# KiCad board Skayboard.kicad_pcb (continued)
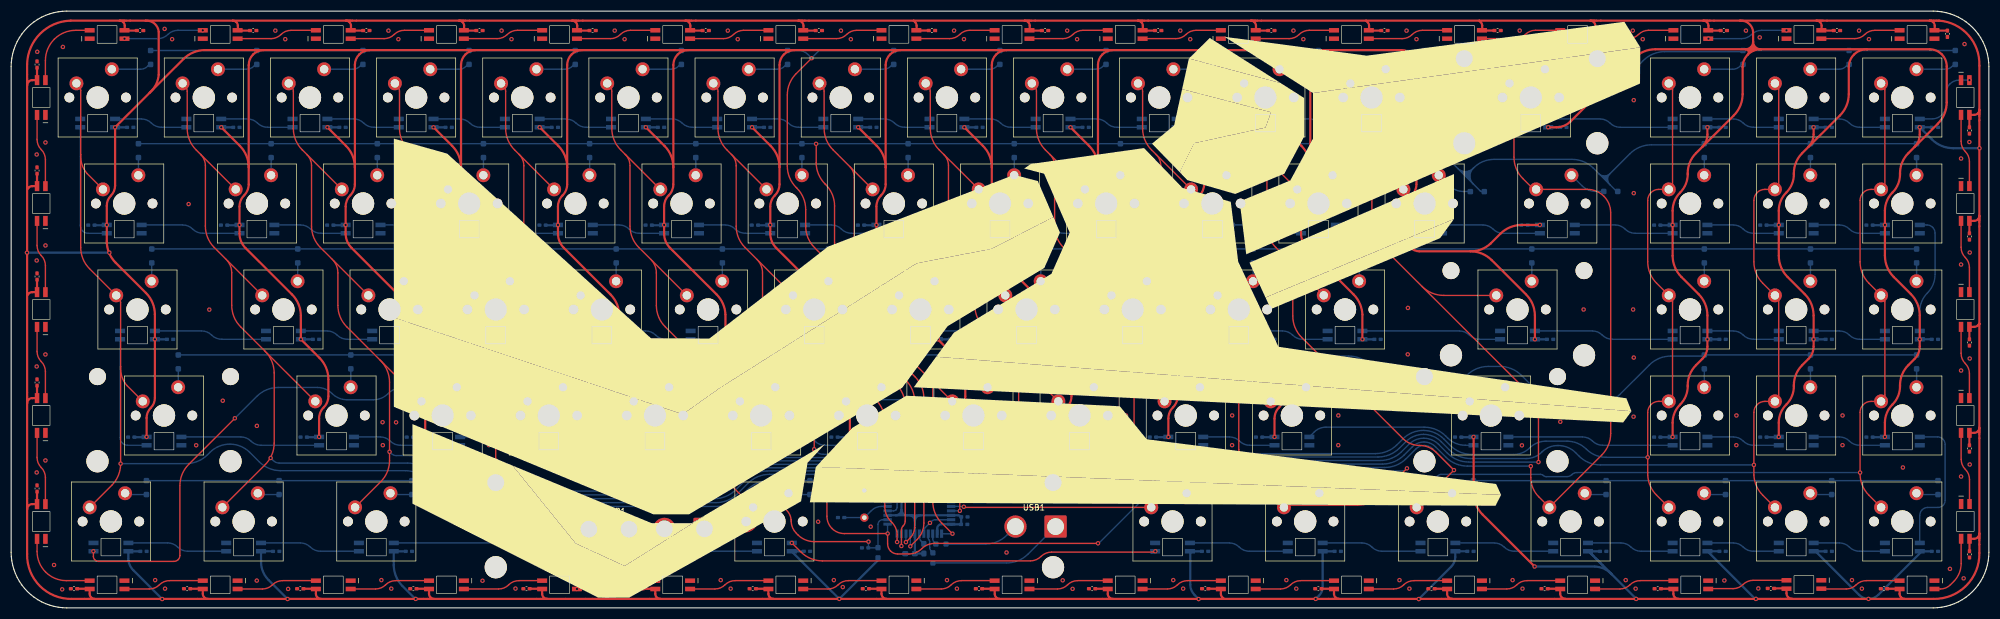
[diagram p0: board, top side]
## Nets
GND: C1.1 C2.1 C4.1 C5.1 C6.2 C7.1 C8.1 C9.1 C10.1 C11.1 C12.1 C13.1 C14.1 C15.1 C16.1 C17.1 C18.1 C19.1 C20.1 C21.1 C22.1 C23.1 C24.1 C25.1 C26.1 C27.1 C28.1 C29.1 C30.1 C31.1 C32.1 C33.1 C34.1 C35.1 C36.1 C37.1 C38.1 C39.1 C40.1 C41.1 C42.1 C43.1 C44.1 C45.1 C46.1 C47.1 C48.1 C49.1 C50.1 C51.1 C52.1 C53.1 C54.1 C55.1 C56.1 C57.1 C58.1 C59.1 C60.1 C61.1 C62.1 C63.1 C64.1 C65.1 C66.1 C67.1 C68.1 C69.1 C70.1 C71.1 C72.1 C73.1 C74.1 C75.1 C76.1 C77.1 C78.1 C79.1 C80.1 C81.1 C82.1 C83.1 C84.1 C85.1 C86.1 C87.1 C88.1 C89.1 C90.1 C91.1 C92.1 C93.1 C94.1 C95.1 C96.1 C97.1 C98.1 C99.1 C100.1 C101.1 C102.1 C103.1 C104.1 C105.1 C106.1 C107.1 C108.1 C109.1 C110.1 C111.1 C112.1 C113.1 C114.1 C115.1 C116.1 C117.1 C118.1 C119.1 C120.1 C121.1 C122.1 C123.1 C124.1 C125.1 C126.1 C127.2 C128.2 LED1.3 LED2.3 LED3.3 LED4.3 LED5.3 LED6.3 LED7.3 LED8.3 LED9.3 LED10.3 LED11.3 LED12.3 LED13.3 LED14.3 LED15.3 LED16.3 LED17.3 LED18.3 LED19.3 LED20.3 LED21.3 LED22.3 LED23.3 LED24.3 LED25.3 LED26.3 LED27.3 LED28.3 LED29.3 LED30.3 LED31.3 LED32.3 LED33.3 LED34.3 LED35.3 LED36.3 LED37.3 LED38.3 LED39.3 LED40.3 LED41.3 LED42.3 LED43.3 LED44.3 LED45.3 LED46.3 LED47.3 LED48.3 LED49.3 LED50.3 LED51.3 LED52.3 LED53.3 LED54.3 LED55.3 LED56.3 LED57.3 LED58.3 LED59.3 LED60.3 LED61.3 LED62.3 LED63.3 LED64.3 LED65.3 LED66.3 LED67.3 LED68.3 LED69.3 LED70.3 LED71.3 LED72.3 LED73.3 LED74.3 LED75.3 LED76.3 LED77.3 LED78.3 LED79.3 LED80.3 LED81.3 LED82.3 LED83.3 LED84.3 LED85.3 LED86.3 LED87.3 LED88.3 LED89.3 LED90.3 LED91.3 LED92.3 LED93.3 LED94.3 LED95.3 LED96.3 LED97.3 LED98.3 LED99.3 LED100.3 LED101.3 LED102.3 LED103.3 LED104.3 LED105.3 LED106.3 LED107.3 LED108.3 LED109.3 LED110.3 LED111.3 LED112.3 LED113.3 LED114.3 LED115.3 LED116.3 LED117.3 LED118.3 LED119.3 LED120.3 POWER1.2 RST1.2 U1.5 U1.15 U1.23 U1.35 U1.43
VCC: C3.1 C5.2 C6.1 C7.2 C8.2 C9.2 C10.2 C11.2 C12.2 C13.2 C14.2 C15.2 C16.2 C17.2 C18.2 C19.2 C20.2 C21.2 C22.2 C23.2 C24.2 C25.2 C26.2 C27.2 C28.2 C29.2 C30.2 C31.2 C32.2 C33.2 C34.2 C35.2 C36.2 C37.2 C38.2 C39.2 C40.2 C41.2 C42.2 C43.2 C44.2 C45.2 C46.2 C47.2 C48.2 C49.2 C50.2 C51.2 C52.2 C53.2 C54.2 C55.2 C56.2 C57.2 C58.2 C59.2 C60.2 C61.2 C62.2 C63.2 C64.2 C65.2 C66.2 C67.2 C68.2 C69.2 C70.2 C71.2 C72.2 C73.2 C74.2 C75.2 C76.2 C77.2 C78.2 C79.2 C80.2 C81.2 C82.2 C83.2 C84.2 C85.2 C86.2 C87.2 C88.2 C89.2 C90.2 C91.2 C92.2 C93.2 C94.2 C95.2 C96.2 C97.2 C98.2 C99.2 C100.2 C101.2 C102.2 C103.2 C104.2 C105.2 C106.2 C107.2 C108.2 C109.2 C110.2 C111.2 C112.2 C113.2 C114.2 C115.2 C116.2 C117.2 C118.2 C119.2 C120.2 C121.2 C122.2 C123.2 C124.2 C125.2 C126.2 C127.1 C128.1 LED1.1 LED2.1 LED3.1 LED4.1 LED5.1 LED6.1 LED7.1 LED8.1 LED9.1 LED10.1 LED11.1 LED12.1 LED13.1 LED14.1 LED15.1 LED16.1 LED17.1 LED18.1 LED19.1 LED20.1 LED21.1 LED22.1 LED23.1 LED24.1 LED25.1 LED26.1 LED27.1 LED28.1 LED29.1 LED30.1 LED31.1 LED32.1 LED33.1 LED34.1 LED35.1 LED36.1 LED37.1 LED38.1 LED39.1 LED40.1 LED41.1 LED42.1 LED43.1 LED44.1 LED45.1 LED46.1 LED47.1 LED48.1 LED49.1 LED50.1 LED51.1 LED52.1 LED53.1 LED54.1 LED55.1 LED56.1 LED57.1 LED58.1 LED59.1 LED60.1 LED61.1 LED62.1 LED63.1 LED64.1 LED65.1 LED66.1 LED67.1 LED68.1 LED69.1 LED70.1 LED71.1 LED72.1 LED73.1 LED74.1 LED75.1 LED76.1 LED77.1 LED78.1 LED79.1 LED80.1 LED81.1 LED82.1 LED83.1 LED84.1 LED85.1 LED86.1 LED87.1 LED88.1 LED89.1 LED90.1 LED91.1 LED92.1 LED93.1 LED94.1 LED95.1 LED96.1 LED97.1 LED98.1 LED99.1 LED100.1 LED101.1 LED102.1 LED103.1 LED104.1 LED105.1 LED106.1 LED107.1 LED108.1 LED109.1 LED110.1 LED111.1 LED112.1 LED113.1 LED114.1 LED115.1 LED116.1 LED117.1 LED118.1 LED119.1 LED120.1 POWER1.1 R1.2 U1.2 U1.7 U1.14 U1.24 U1.34 U1.42 U1.44
/0/DIN: LED10.2 LED11.4
/1/DIN: LED1.2 LED2.4
/1/DOUT: LED2.2 LED3.4
/2/DOUT: LED3.2 LED4.4
/3/DOUT: LED4.2 LED5.4
/4/DOUT: LED5.2 LED6.4
/5/DOUT: LED6.2 LED7.4
/6/DOUT: LED7.2 LED8.4
/7/DOUT: LED8.2 LED9.4
/8/DOUT: LED9.2 LED10.4
/"/DIN: LED45.2 LED46.4
/"/DOUT: LED46.2 LED47.4
/,/DIN: LED59.4 LED60.2
/,/DOUT: LED58.4 LED59.2
/-/DIN: LED11.2 LED12.4
/-/DOUT: LED12.2 LED13.4
/./DIN: LED60.4 LED61.2
/;/DIN: LED44.2 LED45.4
/=/DOUT: LED13.2 LED14.4
/[/DIN: LED29.4 LED30.2
/A/DIN: LED36.4 LED66.2
/A/DOUT: LED36.2 LED37.4
/B Slash/DIN: LED31.4 LED32.2
/B Slash/DOUT: LED30.4 LED31.2
/B/DIN: LED56.4 LED57.2
/B/DOUT: LED55.4 LED56.2
/Bksp/DOUT: LED14.2 LED15.4
/C/DIN: LED54.4 LED55.2
/C/DOUT: LED53.4 LED54.2
/Caps/DIN: LED35.2 LED66.4
/COL^{0}: MX1.1 MX18.1 MX35.1 MX51.1 MX66.1 U1.18
/COL^{1}: MX2.1 MX19.1 MX36.1 MX52.1 MX67.1 U1.19
/COL^{2}: MX3.1 MX20.1 MX37.1 MX53.1 MX68.1 U1.20
/COL^{3}: MX4.1 MX21.1 MX38.1 MX54.1 U1.21
/COL^{4}: MX5.1 MX22.1 MX39.1 MX55.1 U1.22
/COL^{5}: MX6.1 MX23.1 MX40.1 MX56.1 MX69.1 U1.25
/COL^{6}: MX7.1 MX24.1 MX41.1 MX57.1 U1.26
/COL^{7}: MX8.1 MX25.1 MX42.1 MX58.1 U1.1
/COL^{8}: MX9.1 MX26.1 MX43.1 MX59.1 U1.41
/COL^{9}: MX10.1 MX27.1 MX44.1 MX60.1 MX70.1 U1.40
/COL^{10}: MX11.1 MX28.1 MX45.1 MX61.1 MX71.1 U1.38
/COL^{11}: MX12.1 MX29.1 MX46.1 MX62.1 MX72.1 U1.37
/COL^{12}: MX13.1 MX30.1 MX47.1 U1.32
/COL^{13}: MX14.1 MX31.1 MX73.1 U1.36
/COL^{14}: MX15.1 MX32.1 MX48.1 MX63.1 MX74.1 U1.30
/COL^{15}: MX16.1 MX33.1 MX49.1 MX64.1 MX75.1 U1.31
/COL^{16}: MX17.1 MX34.1 MX50.1 MX65.1 MX76.1 U1.39
/D/DIN: LED37.2 LED38.4
/D/DOUT: LED38.2 LED39.4
/Del/DIN: LED32.4 LED33.2
/Down/DIN: LED74.2 LED75.4
/Down/DOUT: LED75.2 LED76.4
/E/DIN: LED21.4 LED22.2
/E/DOUT: LED20.4 LED21.2
/End/DIN: LED33.4 LED34.2
/Enter/DOUT: LED47.2 LED48.4
/Esc/DIN: LED1.4 LED18.2
/F Slash/DIN: LED61.4 LED62.2
/F/DOUT: LED39.2 LED40.4
/G/DOUT: LED40.2 LED41.4
/H/DOUT: LED41.2 LED42.4
/Home/DIN: LED15.2 LED16.4
/Home/DOUT: LED16.2 LED17.4
/I/DIN: LED26.4 LED27.2
/I/DOUT: LED25.4 LED26.2
/J/DOUT: LED42.2 LED43.4
/K/DOUT: LED43.2 LED44.4
/L Alt/DIN: LED67.2 LED68.4
/L Alt/DOUT: LED68.2 LED69.4
/L Ctrl/DOUT: LED51.2 LED67.4
/L Shift/DIN: LED35.4 LED52.2
/LED: LED51.4 U1.29
/Left/DIN: LED73.2 LED74.4
/M/DOUT: LED57.4 LED58.2
/Meta/DIN: LED71.2 LED72.4
/Meta/DOUT: LED72.2 LED73.4
/O/DIN: LED27.4 LED28.2
/P/DIN: LED28.4 LED29.2
/PgDn/DIN: LED34.4 LED50.2
/Q/DIN: LED19.4 LED20.2
/Q/DOUT: LED18.4 LED19.2
/R Alt/DIN: LED69.2 LED70.4
/R Alt/DOUT: LED70.2 LED71.4
/R Shift/DIN: LED62.4 LED63.2
/R/DIN: LED22.4 LED23.2
/Right/DOUT: LED65.4 LED76.2
/ROW^{0}: D1.1 D2.1 D3.1 D4.1 D5.1 D6.1 D7.1 D8.1 D9.1 D10.1 D11.1 D12.1 D13.1 D14.1 D15.1 D16.1 D17.1 U1.10
/ROW^{1}: D18.1 D19.1 D20.1 D21.1 D22.1 D23.1 D24.1 D25.1 D26.1 D27.1 D28.1 D29.1 D30.1 D31.1 D32.1 D33.1 D34.1 U1.9
/ROW^{2}: D36.1 D37.1 D38.1 D39.1 D40.1 D41.1 D42.1 D43.1 D44.1 D45.1 D46.1 D47.1 D48.1 D49.1 D50.1 D66.1 U1.8
/ROW^{3}: D35.1 D52.1 D53.1 D54.1 D55.1 D56.1 D57.1 D58.1 D59.1 D60.1 D61.1 D62.1 D63.1 D64.1 D65.1 U1.11
/ROW^{4}: D51.1 D67.1 D68.1 D69.1 D70.1 D71.1 D72.1 D73.1 D74.1 D75.1 D76.1 U1.12
/SK1/DOUT: LED48.2 LED49.4
/SK2/DOUT: LED49.2 LED50.4
/SK4/DIN: LED63.4 LED64.2
/SK5/DOUT: LED64.4 LED65.2
/T/DIN: LED23.4 LED24.2
/U/DOUT: LED24.4 LED25.2
/ULED: LED17.2 LED77.4
/ULED1/DOUT: LED77.2 LED78.4
/ULED2/DOUT: LED78.2 LED79.4
/ULED3/DOUT: LED79.2 LED80.4
/ULED4/DOUT: LED80.2 LED81.4
/ULED5/DOUT: LED81.2 LED82.4
/ULED6/DOUT: LED82.2 LED83.4
/ULED7/DOUT: LED83.2 LED84.4
/ULED8/DOUT: LED84.2 LED85.4
/ULED10/DIN: LED85.2 LED86.4
/ULED10/DOUT: LED86.2 LED87.4
/ULED11/DOUT: LED87.2 LED88.4
/ULED12/DOUT: LED88.2 LED89.4
/ULED13/DOUT: LED89.2 LED90.4
/ULED14/DOUT: LED90.2 LED91.4
/ULED15/DOUT: LED91.2 LED92.4
/ULED16/DOUT: LED92.2 LED93.4
/ULED17/DOUT: LED93.2 LED94.4
/ULED18/DOUT: LED94.2 LED95.4
/ULED19/DOUT: LED95.2 LED96.4
/ULED20/DOUT: LED96.2 LED97.4
/ULED21/DOUT: LED97.2 LED98.4
/ULED22/DOUT: LED98.2 LED99.4
/ULED23/DOUT: LED99.2 LED100.4
/ULED24/DOUT: LED100.2 LED101.4
/ULED25/DOUT: LED101.2 LED102.4
/ULED26/DOUT: LED102.2 LED103.4
/ULED27/DOUT: LED103.2 LED104.4
/ULED28/DOUT: LED104.2 LED105.4
/ULED29/DOUT: LED105.2 LED106.4
/ULED30/DOUT: LED106.2 LED107.4
/ULED31/DOUT: LED107.2 LED108.4
/ULED32/DOUT: LED108.2 LED109.4
/ULED33/DOUT: LED109.2 LED110.4
/ULED34/DOUT: LED110.2 LED111.4
/ULED35/DOUT: LED111.2 LED112.4
/ULED36/DOUT: LED112.2 LED113.4
/ULED37/DOUT: LED113.2 LED114.4
/ULED38/DOUT: LED114.2 LED115.4
/ULED39/DOUT: LED115.2 LED116.4
/ULED40/DOUT: LED116.2 LED117.4
/ULED41/DOUT: LED117.2 LED118.4
/ULED42/DOUT: LED118.2 LED119.4
/ULED43/DOUT: LED119.2 LED120.4
/ULED44/DOUT: LED120.2
/X/DOUT: LED52.4 LED53.2
Net-(D1-A): D1.2 MX1.2
Net-(D2-A): D2.2 MX2.2
Net-(D3-A): D3.2 MX3.2
Net-(D4-A): D4.2 MX4.2
Net-(D5-A): D5.2 MX5.2
Net-(D6-A): D6.2 MX6.2
Net-(D7-A): D7.2 MX7.2
Net-(D8-A): D8.2 MX8.2
Net-(D9-A): D9.2 MX9.2
Net-(D10-A): D10.2 MX10.2
Net-(D11-A): D11.2 MX11.2
Net-(D12-A): D12.2 MX12.2
Net-(D13-A): D13.2 MX13.2
Net-(D14-A): D14.2 MX14.2
Net-(D15-A): D15.2 MX15.2
Net-(D16-A): D16.2 MX16.2
Net-(D17-A): D17.2 MX17.2
Net-(D18-A): D18.2 MX18.2
Net-(D19-A): D19.2 MX19.2
Net-(D20-A): D20.2 MX20.2
Net-(D21-A): D21.2 MX21.2
Net-(D22-A): D22.2 MX22.2
Net-(D23-A): D23.2 MX23.2
Net-(D24-A): D24.2 MX24.2
Net-(D25-A): D25.2 MX25.2
Net-(D26-A): D26.2 MX26.2
Net-(D27-A): D27.2 MX27.2
Net-(D28-A): D28.2 MX28.2
Net-(D29-A): D29.2 MX29.2
Net-(D30-A): D30.2 MX30.2
Net-(D31-A): D31.2 MX31.2
Net-(D32-A): D32.2 MX32.2
Net-(D33-A): D33.2 MX33.2
Net-(D34-A): D34.2 MX34.2
Net-(D35-A): D35.2 MX35.2
Net-(D36-A): D36.2 MX36.2
Net-(D37-A): D37.2 MX37.2
Net-(D38-A): D38.2 MX38.2
Net-(D39-A): D39.2 MX39.2
Net-(D40-A): D40.2 MX40.2
Net-(D41-A): D41.2 MX41.2
Net-(D42-A): D42.2 MX42.2
Net-(D43-A): D43.2 MX43.2
Net-(D44-A): D44.2 MX44.2
Net-(D45-A): D45.2 MX45.2
Net-(D46-A): D46.2 MX46.2
Net-(D47-A): D47.2 MX47.2
Net-(D48-A): D48.2 MX48.2
Net-(D49-A): D49.2 MX49.2
Net-(D50-A): D50.2 MX50.2
Net-(D51-A): D51.2 MX51.2
Net-(D52-A): D52.2 MX52.2
Net-(D53-A): D53.2 MX53.2
Net-(D54-A): D54.2 MX54.2
Net-(D55-A): D55.2 MX55.2
Net-(D56-A): D56.2 MX56.2
Net-(D57-A): D57.2 MX57.2
Net-(D58-A): D58.2 MX58.2
Net-(D59-A): D59.2 MX59.2
Net-(D60-A): D60.2 MX60.2
Net-(D61-A): D61.2 MX61.2
Net-(D62-A): D62.2 MX62.2
Net-(D63-A): D63.2 MX63.2
Net-(D64-A): D64.2 MX64.2
Net-(D65-A): D65.2 MX65.2
Net-(D66-A): D66.2 MX66.2
Net-(D67-A): D67.2 MX67.2
Net-(D68-A): D68.2 MX68.2
Net-(D69-A): D69.2 MX69.2
Net-(D70-A): D70.2 MX70.2
Net-(D71-A): D71.2 MX71.2
Net-(D72-A): D72.2 MX72.2
Net-(D73-A): D73.2 MX73.2
Net-(D74-A): D74.2 MX74.2
Net-(D75-A): D75.2 MX75.2
Net-(D76-A): D76.2 MX76.2
Net-(RST1-Pin_1): C1.2 R1.1 RST1.1 U1.13
Net-(U1-D+): R2.1 U1.4
Net-(U1-D-): R3.1 U1.3
Net-(U1-UCAP): C3.2 U1.6
Net-(U1-XTAL1): C2.2 U1.17 Y1.2
Net-(U1-XTAL2): C4.2 U1.16 Y1.1
Net-(USB1-Pin_1): R2.2 USB1.1
Net-(USB1-Pin_2): R3.2 USB1.2

Pads without a net: U1 27 28 33

## Via types
v1: diameter 0.8, hole 0.4, Top to Bottom, 255 vias

## Routing (per net, layer and track width the routed paths; a pad name or vN(x,y) marks a point on that pad's centre or on a via; arc(x,y) is an arc through that point)
GND: length 19
  Bottom w0.25: U1.23 158.98,18.07 arc(158.93,17.83) 158.79,17.62 arc(158.59,17.49) 158.35,17.44 U1.15 ; v1(166.63,20.04) 166.63,21.48 arc(166.69,21.77) 166.86,22.02 arc(167.1,22.18) 167.39,22.24 U1.35 ; v1(200.05,29.24) 200.03,29.22 ; U1.43 165.84,15.84 arc(165.48,15.77) 165.17,15.56 v1(164.89,15.28) 164.07,14.47 arc(163.86,14.14) 163.78,13.76 U1.5
  vias: v1(4.59,81.49) v1(4.59,62.44) v1(4.59,43.39) v1(4.59,24.34) v1(4.68,99.95) v1(6.15,83.65) v1(6.16,65.14) v1(6.15,45.55) v1(6.15,26.5) v1(7.7,7.71) v1(9.16,3.33) v1(9.29,100.81) v1(25.84,4.99) v1(27.54,104.06) v1(27.62,3.45) v1(28.89,102.21) v1(31.85,72.58) v1(33.2,29.23) v1(35.56,53.6) v1(37.98,37.23) v1(44.1,32.71) v1(44.08,4.9) v1(47.41,103.75) v1(49.19,102.21) v1(49.7,3.4) v1(66.44,4.99) v1(66.65,33.37) v1(66.7,29.24) v1(67.71,103.75) v1(68.22,3.45) v1(69.08,33.35) v1(69.49,102.21) v1(84.58,4.87) v1(85.75,29.24) v1(88.01,103.75) v1(89.79,102.21) v1(90.5,3.47) v1(104.43,29.23) v1(107.04,4.99) v1(108.31,103.75) v1(108.82,3.45) v1(110.09,102.21) v1(123.85,29.24) v1(127.34,4.99) v1(128.61,103.75) v1(129.12,3.45) v1(130.39,102.21) v1(140.52,29.24) v1(144.81,15.48) v1(147.64,4.99) v1(148.91,103.75) v1(149.24,3.74) v1(150.69,102.21) v1(154.25,14.59) v1(157.82,24.78) v1(159.13,29.21) v1(159.27,32.15) v1(164.6,32.09) v1(167.94,4.99) v1(169.21,103.75) v1(169.72,3.45) v1(170.99,102.21) v1(172.04,25.25) v1(178.63,9.95) v1(181,29.24) v1(182.27,34.58) v1(188.7,4.95) v1(189.51,103.75) v1(190.48,3.42) v1(191.29,102.21) v1(195.59,21.83) v1(200.06,34.58) v1(208.54,4.99) v1(209.81,103.75) v1(210.32,3.45) v1(211.59,102.21) v1(219.11,34.58) v1(219.1,29.24) v1(228.84,4.99) v1(230.11,103.75) v1(230.62,3.45) v1(231.89,102.21) v1(238.15,29.24) v1(238.16,34.58) v1(249.14,4.99) v1(250.41,103.75) v1(250.66,53.91) v1(250.63,45.56) v1(250.92,3.45) v1(252.19,102.21) v1(269.44,4.99) v1(270.71,103.75) v1(271.11,29.21) v1(271.22,3.45) v1(272.49,102.21) v1(277.99,33.45) v1(282.18,53.63) v1(289.74,4.99) v1(291.01,103.75) v1(291.06,53.63) v1(291.14,34.37) v1(291.18,91.25) v1(291.18,74.54) v1(291.18,44.99) v1(291.52,3.45) v1(292.79,102.21) v1(307.44,4.92) v1(309.6,34.58) v1(309.59,29.24) v1(311.31,103.75) v1(313.54,3.49) v1(313.79,102.53) v1(328.65,34.58) v1(328.64,29.24) v1(330.34,4.99) v1(331.61,103.75) v1(332.12,3.45) v1(333.39,102.21) v1(339.48,25.23) v1(347.92,7.01) v1(349.91,80.76) v1(349.91,61.71) v1(349.91,42.66) v1(349.91,23.61) v1(350.38,5.31) v1(350.54,101.33) v1(351.4,83.73) v1(351.47,63.87) v1(351.47,44.82) v1(351.47,25.77)
VCC: length 3238.1
  Top w0.4: 2.87,97.72 2.87,93.93 ; 203.12,103.76 C119.2 ; 203.12,103.76 arc(203.09,103.77) 203.06,103.78 ; 203.12,103.76 arc(203.09,103.77) 203.08,103.79 ; 141.27,105.54 120.97,105.54 ; 141.27,105.54 161.94,105.54 ; 141.27,105.54 arc(141.62,105.47) 141.92,105.27 arc(142.11,104.98) 142.18,104.63 142.18,103.79 ; 64.36,100.25 83.41,100.25 ; 64.36,100.25 45.31,100.25 ; 64.36,100.25 arc(63.34,100.05) 62.47,99.47 arc(61.89,98.6) 61.68,97.57 61.68,79.19 ; 83.41,100.25 102.46,100.25 ; 83.41,100.25 arc(82.39,100.05) 81.52,99.47 arc(80.94,98.6) 80.73,97.57 80.73,79.19 ; v1(18.65,86.38) 18.65,75.88 arc(18.46,74.91) 17.91,74.08 arc(17.36,73.26) 17.16,72.29 v1(17.16,68.82) 17.16,65.88 arc(17.58,63.8) 18.76,62.03 24.2,56.59 arc(25.38,54.82) 25.79,52.74 v1(25.79,48.27) 25.79,37.73 arc(25.6,36.76) 25.05,35.93 arc(24.5,35.11) 24.31,34.14 v1(24.31,30.72) ; v1(18.65,86.38) 18.65,86.39 ; v1(18.65,86.38) 24.89,92.61 ; v1(74.31,30.72) 74.31,34.03 arc(74.53,35.11) 75.14,36.04 arc(75.76,36.96) 75.98,38.04 75.98,41.08 arc(75.56,43.16) 74.38,44.93 v1(71.04,48.27) 71.04,52.49 arc(70.62,54.57) 69.44,56.34 61.11,64.67 arc(60.31,65.87) 60.03,67.29 v1(60.03,68.82) 60.03,72.14 arc(60.24,73.22) 60.85,74.13 arc(61.47,75.05) 61.68,76.13 61.68,79.19 ; v1(188.61,30.72) 188.61,34.03 arc(188.83,35.11) 189.45,36.04 arc(190.06,36.96) 190.28,38.04 190.28,41.08 arc(189.91,43.05) 188.85,44.76 185.34,48.27 arc(185.34,48.27) 185.34,48.27 v1(185.34,48.27) 185.34,48.28 arc(185.33,48.28) 185.33,48.28 185.33,52.73 arc(184.88,54.68) 183.74,56.34 175.41,64.67 arc(174.61,65.87) 174.33,67.29 v1(174.33,68.82) 174.33,72.14 arc(174.54,73.22) 175.15,74.13 arc(175.77,75.05) 175.98,76.13 175.98,79.19 ; 197.71,100.25 235.81,100.25 ; 197.71,100.25 178.66,100.25 ; 197.71,100.25 arc(196.69,100.05) 195.82,99.47 arc(195.24,98.6) 195.03,97.57 195.03,79.19 ; 235.81,100.25 249.48,100.25 arc(250.52,100.04) 251.39,99.46 arc(251.98,98.58) 252.18,97.55 252.18,91.09 ; 235.81,100.25 arc(234.79,100.05) 233.92,99.47 arc(233.34,98.6) 233.13,97.57 233.13,79.19 ; 20.38,103.79 20.38,104.63 arc(20.31,104.98) 20.12,105.27 arc(19.82,105.47) 19.47,105.54 ; 20.38,103.79 arc(20.39,103.77) 20.42,103.76 ; 20.38,103.79 arc(20.38,103.78) 20.36,103.78 ; 264.02,103.76 C122.2 ; 264.02,103.76 arc(263.99,103.77) 263.96,103.79 ; 264.02,103.76 arc(263.99,103.77) 263.98,103.8 ; v1(55.26,30.72) 55.26,34.03 arc(55.48,35.11) 56.09,36.04 arc(56.71,36.96) 56.93,38.04 56.93,41.08 arc(56.51,43.16) 55.33,44.93 v1(51.99,48.27) 51.99,52.49 arc(51.57,54.57) 50.39,56.34 42.06,64.67 arc(41.26,65.87) 40.98,67.29 v1(40.98,68.82) 40.98,72.14 arc(41.19,73.22) 41.8,74.13 arc(42.42,75.05) 42.63,76.13 42.63,79.19 ; 101.56,103.78 LED108.1 ; 101.56,103.78 arc(101.59,103.77) 101.62,103.76 ; 101.56,103.78 arc(101.58,103.78) 101.58,103.79 ; 15.01,1.61 10.91,1.61 ; 15.01,1.61 35.31,1.61 ; 15.01,1.61 arc(14.66,1.68) 14.36,1.88 arc(14.16,2.18) 14.09,2.53 LED98.1 14.07,3.42 arc(14.04,3.43) 14.01,3.44 C104.2 ; 2.87,17.73 2.87,36.78 ; 2.87,17.73 2.87,9.66 ; 2.87,17.73 arc(2.94,18.08) 3.13,18.38 arc(3.43,18.58) 3.78,18.65 LED99.1 C105.2 ; 121.92,103.76 C115.2 ; 121.92,103.76 arc(121.89,103.77) 121.88,103.79 ; 121.92,103.76 arc(121.89,103.77) 121.86,103.78 ; 252.18,91.09 252.18,86.75 ; 252.18,91.09 arc(252.87,89.67) 254.53,89.09 ; 252.18,86.75 252.18,79.19 ; 252.18,86.75 arc(252.77,88.4) 254.18,89.09 255.61,89.09 arc(257.69,89.5) 259.45,90.68 266.92,98.15 arc(268.69,99.33) 270.77,99.75 275.69,99.75 arc(277.77,99.33) 279.54,98.15 283.63,94.06 ; 304.56,103.78 LED118.1 ; 304.56,103.78 arc(304.59,103.77) 304.62,103.76 ; 304.56,103.78 arc(304.58,103.78) 304.58,103.79 ; 242.48,48.28 242.48,52.73 arc(242.03,54.68) 240.89,56.34 232.56,64.67 arc(231.76,65.87) 231.48,67.29 v1(231.48,68.82) 231.48,72.14 arc(231.69,73.22) 232.3,74.13 arc(232.92,75.05) 233.13,76.13 233.13,79.19 ; 243.14,105.54 222.47,105.54 ; 181.87,105.54 161.95,105.54 ; 181.87,105.54 202.17,105.54 ; 181.87,105.54 arc(182.22,105.47) 182.52,105.27 arc(182.71,104.98) 182.78,104.63 182.78,103.79 ; 156.93,79.19 156.93,97.57 arc(157.14,98.6) 157.72,99.47 arc(158.59,100.05) 159.61,100.25 ; 156.93,79.19 156.93,76.13 arc(156.72,75.05) 156.1,74.13 arc(155.49,73.22) 155.28,72.14 v1(155.28,68.82) 155.28,67.29 arc(155.56,65.87) 156.36,64.67 164.69,56.34 arc(165.83,54.68) 166.28,52.73 166.28,48.28 arc(166.28,48.28) 166.29,48.28 v1(166.29,48.27) 166.29,48.27 arc(166.29,48.27) 166.29,48.27 169.8,44.76 arc(170.86,43.05) 171.23,41.08 171.23,38.04 arc(171.01,36.96) 170.4,36.04 arc(169.78,35.11) 169.56,34.03 v1(169.56,30.72) 169.56,26.39 arc(169.45,25.82) 169.12,25.33 v1(168.69,24.89) ; 156.93,79.19 arc(156.52,81.27) 155.34,83.04 v1(152,86.38) ; v1(304.4,86.38) 304.4,85.07 arc(304.16,83.87) 303.48,82.85 ; 217.62,1.61 217.36,1.88 arc(217.16,2.18) 217.09,2.53 217.09,3.36 arc(217.08,3.39) 217.07,3.42 arc(217.04,3.43) 217.01,3.44 C94.2 ; 217.62,1.61 217.63,1.61 ; 217.62,1.61 arc(217.62,1.61) 217.63,1.61 ; v1(150.51,30.72) 150.51,34.03 arc(150.73,35.11) 151.35,36.04 arc(151.96,36.96) 152.18,38.04 152.18,41.08 arc(151.81,43.05) 150.75,44.76 147.24,48.27 arc(147.24,48.27) 147.24,48.27 v1(147.24,48.27) 147.24,48.28 arc(147.23,48.28) 147.23,48.28 147.23,52.73 arc(146.78,54.68) 145.64,56.34 137.31,64.67 arc(136.51,65.87) 136.23,67.29 v1(136.23,68.82) 136.23,72.14 arc(136.44,73.22) 137.05,74.13 arc(137.67,75.05) 137.88,76.13 137.88,79.19 ; 137.88,79.19 137.88,97.57 arc(138.09,98.6) 138.67,99.47 arc(139.54,100.05) 140.56,100.25 ; 137.88,79.19 arc(137.47,81.27) 136.29,83.04 v1(132.95,86.38) ; v1(275.83,86.38) 277.3,86.38 arc(278.67,86.65) 279.83,87.42 283.39,90.99 arc(284.15,92.57) 283.63,94.06 ; 157.11,1.61 177.39,1.61 ; 157.11,1.61 v1(148.6,1.61) 136.81,1.61 ; 157.11,1.61 arc(156.75,1.68) 156.46,1.88 arc(156.26,2.18) 156.19,2.53 156.19,3.36 arc(156.18,3.39) 156.17,3.42 arc(156.14,3.43) 156.11,3.44 C97.2 ; v1(190.1,86.38) 193.44,83.04 arc(194.62,81.27) 195.03,79.19 ; 353.2,51.04 353.2,32.37 ; 353.2,51.04 352.93,50.77 arc(352.63,50.58) 352.28,50.51 351.42,50.51 ; 353.2,51.04 arc(353.2,51.04) 353.2,51.04 353.2,70.47 ; 353.2,32.37 353.2,13.36 ; 353.2,32.37 arc(353.13,32.02) 352.93,31.73 arc(352.63,31.53) 352.28,31.46 LED80.1 C87.2 ; 323.97,105.54 344.27,105.54 ; 323.97,105.54 310.26,105.54 ; 323.97,105.54 arc(324.32,105.47) 324.62,105.27 arc(324.81,104.98) 324.88,104.63 324.88,103.79 ; 304.62,103.76 C124.2 ; 304.62,103.76 arc(304.59,103.77) 304.58,103.79 ; 214.08,79.19 214.08,97.57 arc(214.29,98.6) 214.87,99.47 arc(215.74,100.05) 216.76,100.25 ; 214.08,79.19 214.08,76.13 arc(213.87,75.05) 213.25,74.13 arc(212.64,73.22) 212.43,72.14 v1(212.43,68.82) 212.43,67.29 arc(212.71,65.87) 213.51,64.67 221.84,56.34 arc(222.98,54.68) 223.43,52.73 223.43,48.28 arc(223.43,48.28) 223.44,48.28 v1(223.44,48.27) 223.44,48.27 arc(223.44,48.27) 223.44,48.27 226.95,44.76 arc(228.01,43.05) 228.38,41.08 228.38,38.04 arc(228.16,36.96) 227.55,36.04 arc(226.93,35.11) 226.71,34.03 v1(226.71,30.72) ; 214.08,79.19 arc(213.67,81.27) 212.49,83.04 v1(209.15,86.38) ; 258.6,1.61 238.3,1.61 ; 258.6,1.61 278.9,1.61 ; 258.6,1.61 arc(258.25,1.68) 257.96,1.88 arc(257.76,2.18) 257.69,2.53 257.69,3.36 arc(257.68,3.39) 257.67,3.42 arc(257.64,3.43) 257.61,3.44 C92.2 ; 332.98,100.4 344.27,100.4 arc(345.45,100.16) 346.45,99.5 arc(347.11,98.5) 347.34,97.33 347.34,90.87 arc(346.93,88.79) 345.75,87.02 341.58,82.85 ; 332.98,100.4 313.93,100.4 ; 332.98,100.4 arc(331.75,100.15) 330.71,99.45 arc(330.01,98.41) 329.77,97.18 329.77,92.34 arc(329.35,90.26) 328.17,88.49 322.53,82.85 ; C108.2 LED102.1 3.78,75.8 arc(3.43,75.73) 3.14,75.53 2.87,75.26 ; 310.26,105.54 303.67,105.54 ; 310.26,105.54 arc(311.91,104.96) 312.6,103.54 312.6,101.73 ; 263.96,103.79 LED116.1 ; 263.96,103.79 arc(263.98,103.78) 263.98,103.8 ; v1(112.41,30.72) 112.41,34.03 arc(112.63,35.11) 113.24,36.04 arc(113.86,36.96) 114.08,38.04 114.08,41.08 arc(113.66,43.16) 112.48,44.93 v1(109.14,48.27) 109.14,52.49 arc(108.72,54.57) 107.54,56.34 99.21,64.67 arc(98.41,65.87) 98.13,67.29 v1(98.13,68.82) 98.13,72.14 arc(98.34,73.22) 98.95,74.13 arc(99.57,75.05) 99.78,76.13 99.78,79.19 ; 80.73,79.19 80.73,76.13 arc(80.52,75.05) 79.9,74.13 arc(79.29,73.22) 79.08,72.14 v1(79.08,68.82) 79.08,67.29 arc(79.36,65.87) 80.16,64.67 88.49,56.34 arc(89.67,54.57) 90.09,52.49 v1(90.09,48.27) 93.43,44.93 arc(94.61,43.16) 95.03,41.08 95.03,38.04 arc(94.81,36.96) 94.19,36.04 arc(93.58,35.11) 93.36,34.03 v1(93.36,30.72) ; 80.73,79.19 arc(80.32,81.27) 79.14,83.04 v1(75.8,86.38) ; 108.39,1.61 96.21,1.61 ; 108.39,1.61 116.51,1.61 ; 108.39,1.61 arc(106.58,1.97) 105.05,2.99 arc(104.03,4.52) 103.67,6.33 POWER1.1 ; 121.86,103.78 LED109.1 ; 121.86,103.78 arc(121.88,103.78) 121.88,103.79 ; 121.51,100.25 140.56,100.25 ; 121.51,100.25 102.46,100.25 ; 121.51,100.25 arc(120.48,100.05) 119.62,99.47 arc(119.03,98.6) 118.83,97.57 118.83,79.19 ; 140.56,100.25 159.61,100.25 ; v1(228.2,86.38) 231.54,83.04 arc(232.72,81.27) 233.13,79.19 ; v1(207.66,30.72) 207.66,34.03 arc(207.88,35.11) 208.5,36.04 arc(209.11,36.96) 209.33,38.04 209.33,41.08 arc(208.96,43.05) 207.9,44.76 204.39,48.27 arc(204.39,48.27) 204.39,48.27 v1(204.39,48.27) 204.39,48.28 arc(204.38,48.28) 204.38,48.28 204.38,52.73 arc(203.93,54.68) 202.79,56.34 194.46,64.67 arc(193.66,65.87) 193.38,67.29 v1(193.38,68.82) 193.38,72.14 arc(193.59,73.22) 194.2,74.13 arc(194.82,75.05) 195.03,76.13 195.03,79.19 ; 55.61,1.61 v1(72.6,1.61) 75.91,1.61 ; 55.61,1.61 35.31,1.61 ; 55.61,1.61 arc(55.25,1.68) 54.96,1.88 arc(54.76,2.18) 54.69,2.53 54.69,3.36 arc(54.68,3.39) 54.67,3.42 arc(54.64,3.43) 54.61,3.44 C102.2 ; 120.97,105.54 100.67,105.54 ; 120.97,105.54 arc(121.32,105.47) 121.62,105.27 arc(121.81,104.98) 121.88,104.63 121.88,103.79 ; 341.58,82.85 340.46,81.73 arc(339.35,80.07) 338.96,78.12 338.96,77.92 arc(338.61,76.15) 337.61,74.65 arc(336.6,73.15) 336.25,71.38 v1(336.25,68.83) 336.25,63.31 arc(336.67,61.23) 337.85,59.46 340.91,56.4 arc(342.09,54.63) 342.5,52.55 v1(342.5,48.27) 342.5,46.97 arc(342.26,45.77) 341.58,44.75 340.46,43.63 arc(339.35,41.97) 338.96,40.02 338.96,39.82 arc(338.61,38.05) 337.61,36.55 arc(336.6,35.05) 336.25,33.28 v1(336.25,30.72) ; 341.58,82.85 arc(342.26,83.87) 342.5,85.07 v1(342.5,86.38) ; v1(323.45,86.38) 323.45,85.07 arc(323.21,83.87) 322.53,82.85 ; 24.89,92.61 30.93,98.66 arc(32.7,99.84) 34.78,100.25 45.31,100.25 ; 24.89,92.61 arc(26.07,94.22) 26.48,95.83 26.48,103.54 arc(25.8,104.96) 24.14,105.54 ; 118.83,79.19 118.83,76.13 arc(118.62,75.05) 118,74.13 arc(117.39,73.22) 117.17,72.14 117.17,67.29 arc(117.46,65.87) 118.26,64.67 126.59,56.34 arc(127.72,54.68) 128.18,52.73 128.18,48.28 arc(128.18,48.28) 128.18,48.28 v1(128.19,48.27) 128.19,48.27 arc(128.19,48.27) 128.19,48.27 131.7,44.76 arc(132.76,43.05) 133.13,41.08 133.13,38.04 arc(132.91,36.96) 132.29,36.04 arc(131.68,35.11) 131.46,34.03 131.46,30.72 ; 118.83,79.19 arc(118.42,81.27) 117.24,83.04 v1(113.9,86.38) ; C85.2 LED78.1 352.28,69.56 arc(352.63,69.63) 352.93,69.82 arc(353.13,70.12) 353.2,70.47 ; 313.93,100.4 arc(312.7,100.15) 311.66,99.45 ; 313.93,100.4 arc(312.99,100.79) 312.6,101.73 ; 303.67,105.54 283.37,105.54 ; 303.67,105.54 arc(304.02,105.47) 304.32,105.27 arc(304.51,104.98) 304.58,104.63 304.58,103.79 ; 136.81,1.61 116.51,1.61 ; 136.81,1.61 arc(136.45,1.68) 136.16,1.88 arc(135.96,2.18) 135.89,2.53 135.89,3.36 arc(135.88,3.39) 135.87,3.42 arc(135.84,3.43) 135.81,3.44 C98.2 ; 2.87,36.78 2.87,56.21 arc(2.87,56.21) 2.87,56.21 ; 2.87,36.78 arc(2.94,37.13) 3.13,37.43 arc(3.43,37.63) 3.78,37.7 LED100.1 C106.2 ; 319.61,1.61 v1(333.3,1.61) ; 319.61,1.61 v1(313.1,1.61) 299.2,1.61 ; 319.61,1.61 arc(319.22,1.69) 318.89,1.91 arc(318.67,2.24) 318.59,2.63 318.59,3.42 arc(318.58,3.45) 318.57,3.48 arc(318.54,3.49) 318.51,3.5 C89.2 ; 102.46,100.25 arc(101.44,100.05) 100.57,99.47 arc(99.99,98.6) 99.78,97.57 99.78,79.19 ; 40.72,103.76 C111.2 ; 40.72,103.76 arc(40.69,103.77) 40.66,103.78 ; 40.72,103.76 arc(40.69,103.77) 40.68,103.79 ; C88.2 338.81,3.44 arc(338.84,3.43) 338.87,3.42 arc(338.88,3.39) 338.89,3.36 338.89,2.53 arc(338.96,2.18) 339.16,1.88 ; 345.22,103.76 347.38,103.76 ; 345.22,103.76 arc(345.19,103.77) 345.18,103.79 ; 345.22,103.76 arc(345.19,103.77) 345.16,103.78 ; 353.2,89.52 353.2,70.47 ; 353.2,89.52 353.2,97.43 ; 353.2,89.52 arc(353.13,89.17) 352.93,88.87 arc(352.63,88.68) 352.28,88.61 LED77.1 C84.2 ; 2.87,93.93 2.87,75.26 arc(2.87,75.26) 2.87,75.26 ; 2.87,93.93 arc(2.94,94.28) 3.13,94.58 arc(3.43,94.78) 3.78,94.85 LED103.1 C109.2 ; 81.28,103.79 81.28,104.63 arc(81.21,104.98) 81.02,105.27 arc(80.72,105.47) 80.37,105.54 ; 81.28,103.79 arc(81.28,103.78) 81.26,103.78 ; 81.28,103.79 arc(81.29,103.77) 81.32,103.76 ; C107.2 LED101.1 3.78,56.75 arc(3.43,56.68) 3.14,56.48 2.87,56.21 ; C83.2 351.43,12.42 arc(351.43,12.42) LED81.1 352.26,12.42 arc(352.62,12.49) 352.92,12.7 arc(353.13,13) 353.2,13.36 ; 61.68,79.19 arc(61.27,81.27) 60.09,83.04 v1(56.75,86.38) ; 99.78,79.19 arc(99.37,81.27) 98.19,83.04 v1(94.85,86.38) ; 161.95,105.54 162.22,105.28 arc(162.41,104.98) 162.48,104.63 162.48,103.8 ; 159.61,100.25 178.66,100.25 ; 178.66,100.25 arc(177.64,100.05) 176.77,99.47 arc(176.19,98.6) 175.98,97.57 175.98,79.19 ; 339.8,1.61 344.96,1.61 ; 339.8,1.61 339.05,1.61 ; 339.8,1.61 arc(339.45,1.68) 339.16,1.88 ; 80.37,105.54 100.67,105.54 ; 80.37,105.54 60.07,105.54 ; 353.2,13.36 353.2,9.86 ; 142.18,103.79 arc(142.19,103.77) 142.22,103.76 ; 142.18,103.79 arc(142.18,103.78) 142.16,103.78 ; 284.32,103.76 C123.2 ; 284.32,103.76 arc(284.29,103.77) 284.28,103.79 ; 284.32,103.76 arc(284.29,103.77) 284.26,103.78 ; 238.3,1.61 v1(234.1,1.61) 217.63,1.61 ; 238.3,1.61 arc(237.95,1.68) 237.66,1.88 arc(237.46,2.18) 237.39,2.53 237.39,3.36 arc(237.38,3.39) 237.37,3.42 arc(237.34,3.43) 237.31,3.44 C93.2 ; 45.31,100.25 arc(44.29,100.05) 43.42,99.47 arc(42.84,98.6) 42.63,97.57 42.63,79.19 ; 101.58,103.79 101.58,104.63 arc(101.51,104.98) 101.32,105.27 arc(101.02,105.47) 100.67,105.54 ; 101.58,103.79 arc(101.59,103.77) 101.62,103.76 ; v1(37.7,86.38) 41.04,83.04 arc(42.22,81.27) 42.63,79.19 ; 182.78,103.79 arc(182.79,103.77) 182.82,103.76 ; 182.78,103.79 arc(182.78,103.78) 182.76,103.78 ; 175.98,79.19 arc(175.57,81.27) 174.39,83.04 v1(171.05,86.38) ; 261.84,64.09 252.69,64.09 arc(251.86,64.25) 251.16,64.72 arc(250.69,65.43) 250.53,66.26 v1(250.53,68.82) 250.53,72.14 arc(250.74,73.22) 251.35,74.13 arc(251.97,75.05) 252.18,76.13 252.18,79.19 ; 261.84,64.09 arc(263.88,64.46) 265.51,65.5 267.24,67.23 arc(269,68.41) 271.09,68.82 v1(274.34,68.82) ; 261.84,64.09 arc(263.93,63.68) 265.69,62.5 271.85,56.34 arc(273.03,54.57) 273.44,52.49 v1(273.44,48.27) ; 203.08,103.79 203.08,104.63 arc(203.01,104.98) 202.82,105.27 arc(202.52,105.47) 202.17,105.54 ; 203.08,103.79 arc(203.08,103.78) 203.06,103.78 ; 75.91,1.61 96.21,1.61 ; 75.91,1.61 arc(75.55,1.68) 75.26,1.88 arc(75.06,2.18) 74.99,2.53 74.99,3.36 arc(74.98,3.39) 74.97,3.42 arc(74.94,3.43) 74.91,3.44 C101.2 ; 339.05,1.61 333.1,1.61 ; 339.05,1.61 arc(339.19,1.71) 339.16,1.88 ; 243.68,103.79 243.68,104.63 arc(243.61,104.98) 243.42,105.27 243.15,105.54 ; 243.68,103.79 arc(243.69,103.77) 243.72,103.76 ; 243.68,103.79 arc(243.68,103.78) 243.66,103.78 ; 322.53,82.85 321.41,81.73 arc(320.3,80.07) 319.91,78.12 319.91,77.92 arc(319.56,76.15) 318.56,74.65 arc(317.55,73.15) 317.2,71.38 v1(317.2,68.82) 317.2,63.31 arc(317.62,61.22) 318.8,59.46 321.86,56.4 arc(323.04,54.63) 323.45,52.55 v1(323.45,48.27) 323.45,46.97 arc(323.21,45.77) 322.53,44.75 321.41,43.62 arc(320.3,41.97) 319.91,40.01 319.91,39.82 arc(319.56,38.05) 318.56,36.55 arc(317.55,35.05) 317.2,33.28 v1(317.2,30.72) ; 303.48,82.85 302.36,81.73 arc(301.25,80.07) 300.86,78.12 300.86,77.92 arc(300.51,76.15) 299.51,74.65 arc(298.5,73.15) 298.15,71.38 v1(298.15,68.82) 298.15,63.31 arc(298.57,61.22) 299.75,59.46 302.81,56.4 arc(303.99,54.63) 304.4,52.55 v1(304.4,48.27) 304.4,46.97 arc(304.16,45.77) 303.48,44.75 302.36,43.62 arc(301.25,41.97) 300.86,40.01 300.86,39.82 arc(300.51,38.05) 299.51,36.55 arc(298.5,35.05) 298.15,33.28 v1(298.15,30.72) ; 303.48,82.85 309.12,88.49 arc(310.3,90.26) 310.72,92.34 310.72,97.18 arc(310.96,98.41) 311.66,99.45 ; 177.39,1.61 197.71,1.61 ; 177.39,1.61 arc(177.05,1.68) 176.77,1.87 arc(176.57,2.16) 176.5,2.5 176.5,3.37 arc(176.5,3.38) 176.5,3.39 LED90.1 176.47,3.42 arc(176.44,3.43) 176.41,3.44 C96.2 ; 2.87,75.26 2.87,56.21 ; 299.2,1.61 v1(291.6,1.61) 278.9,1.61 ; 299.2,1.61 arc(298.85,1.68) 298.56,1.88 arc(298.36,2.18) 298.29,2.53 298.29,3.36 arc(298.28,3.39) 298.27,3.42 arc(298.24,3.43) 298.21,3.44 C90.2 ; 19.47,105.54 24.14,105.54 ; 19.47,105.54 10.68,105.54 ; 284.26,103.78 LED117.1 ; 284.26,103.78 arc(284.28,103.78) 284.28,103.79 ; 101.62,103.76 C114.2 ; 278.9,1.61 arc(278.55,1.68) 278.26,1.88 arc(278.06,2.18) 277.99,2.53 277.99,3.36 arc(277.98,3.39) 277.97,3.41 277.95,3.44 arc(277.94,3.44) 277.94,3.44 C91.2 ; 162.52,103.76 C117.2 ; 162.52,103.76 arc(162.49,103.77) 162.46,103.79 ; 162.52,103.76 arc(162.49,103.77) 162.48,103.8 ; v1(262.43,30.72) 262.44,30.72 arc(262.44,30.72) 262.44,30.71 262.44,20.64 arc(262.86,18.55) 264.03,16.79 v1(273.39,7.43) ; 182.82,103.76 C118.2 ; 182.82,103.76 arc(182.79,103.77) 182.76,103.78 ; 20.36,103.78 LED104.1 ; 20.36,103.78 arc(20.39,103.77) 20.42,103.76 ; C95.2 196.71,3.44 arc(196.74,3.43) 196.77,3.42 arc(196.78,3.39) 196.79,3.36 196.79,2.53 arc(196.86,2.18) 197.06,1.88 arc(197.35,1.68) 197.71,1.61 ; 81.32,103.76 C113.2 ; 81.32,103.76 arc(81.29,103.77) 81.26,103.78 ; 351.42,50.51 arc(351.42,50.51) LED79.1 ; 351.42,50.51 arc(351.42,50.51) LED79.1 ; 344.27,105.54 346,105.54 ; 344.27,105.54 arc(344.62,105.47) 344.92,105.27 arc(345.11,104.98) 345.18,104.63 345.18,103.79 ; 283.37,105.54 263.45,105.54 ; 283.37,105.54 arc(283.72,105.47) 284.02,105.27 arc(284.21,104.98) 284.28,104.63 284.28,103.79 ; C99.2 115.51,3.44 arc(115.54,3.43) 115.57,3.42 arc(115.58,3.39) 115.59,3.36 115.59,2.53 arc(115.66,2.18) 115.86,1.88 arc(116.15,1.68) 116.51,1.61 ; 81.26,103.78 LED107.1 ; 222.47,105.54 202.17,105.54 ; 222.47,105.54 arc(222.82,105.47) 223.12,105.27 arc(223.31,104.98) 223.38,104.63 223.38,103.79 ; 60.07,105.54 39.77,105.54 ; 60.07,105.54 arc(60.42,105.47) 60.72,105.27 arc(60.91,104.98) 60.98,104.63 60.98,103.79 ; 243.66,103.78 LED115.1 ; 243.66,103.78 arc(243.69,103.77) 243.72,103.76 ; 243.15,105.55 263.44,105.55 ; 35.31,1.61 arc(34.96,1.68) 34.66,1.88 arc(34.46,2.18) 34.39,2.53 LED97.1 34.37,3.42 arc(34.34,3.43) 34.31,3.44 C103.2 ; 263.45,105.54 263.72,105.28 arc(263.91,104.98) 263.98,104.63 263.98,103.8 ; v1(247.25,86.38) 250.59,83.04 arc(251.77,81.27) 252.18,79.19 ; 39.77,105.54 24.14,105.54 ; 39.77,105.54 arc(40.12,105.47) 40.42,105.27 arc(40.61,104.98) 40.68,104.63 40.68,103.79 ; 182.76,103.78 LED112.1 ; 40.66,103.78 LED105.1 ; 40.66,103.78 arc(40.68,103.78) 40.68,103.79 ; 60.98,103.79 arc(60.99,103.77) 61.02,103.76 ; 60.98,103.79 arc(60.98,103.78) 60.96,103.78 ; 345.18,103.79 arc(345.18,103.78) 345.16,103.78 ; 217.63,1.61 arc(217.63,1.61) 217.62,1.61 197.71,1.61 ; 142.22,103.76 C116.2 ; 142.22,103.76 arc(142.19,103.77) 142.16,103.78 ; 96.21,1.61 arc(95.85,1.68) 95.56,1.88 arc(95.36,2.18) 95.29,2.53 95.29,3.36 arc(95.28,3.39) 95.27,3.42 arc(95.24,3.43) 95.21,3.44 C100.2 ; 283.63,94.06 arc(285.12,93.54) 286.7,94.3 291.21,98.8 arc(292.97,99.98) 295.05,100.4 311.27,100.4 ; 345.16,103.78 LED120.1 ; 61.02,103.76 C112.2 ; 61.02,103.76 arc(60.99,103.77) 60.96,103.78 ; 324.86,103.78 LED119.1 ; 324.86,103.78 arc(324.88,103.78) 324.88,103.79 ; 324.86,103.78 arc(324.89,103.77) 324.92,103.76 ; 203.06,103.78 LED113.1 ; 223.36,103.78 LED114.1 ; 223.36,103.78 arc(223.39,103.77) 223.42,103.76 ; 223.36,103.78 arc(223.38,103.78) 223.38,103.79 ; 162.46,103.79 LED111.1 ; 162.46,103.79 arc(162.48,103.78) 162.48,103.8 ; 324.88,103.79 arc(324.89,103.77) 324.92,103.76 ; 312.6,101.73 arc(312.21,100.79) 311.27,100.4 ; 142.16,103.78 LED110.1 ; 223.42,103.76 C120.2 ; 223.42,103.76 arc(223.39,103.77) 223.38,103.79 ; 243.72,103.76 C121.2 ; 60.96,103.78 LED106.1 ; LED79.1 C86.2 ; 20.42,103.76 C110.2 ; 311.27,100.4 arc(311.78,100.06) 311.66,99.45 ; 324.92,103.76 C125.2